# Altium PCB MC21R01.PcbDoc (part 1 of 5) (continued)
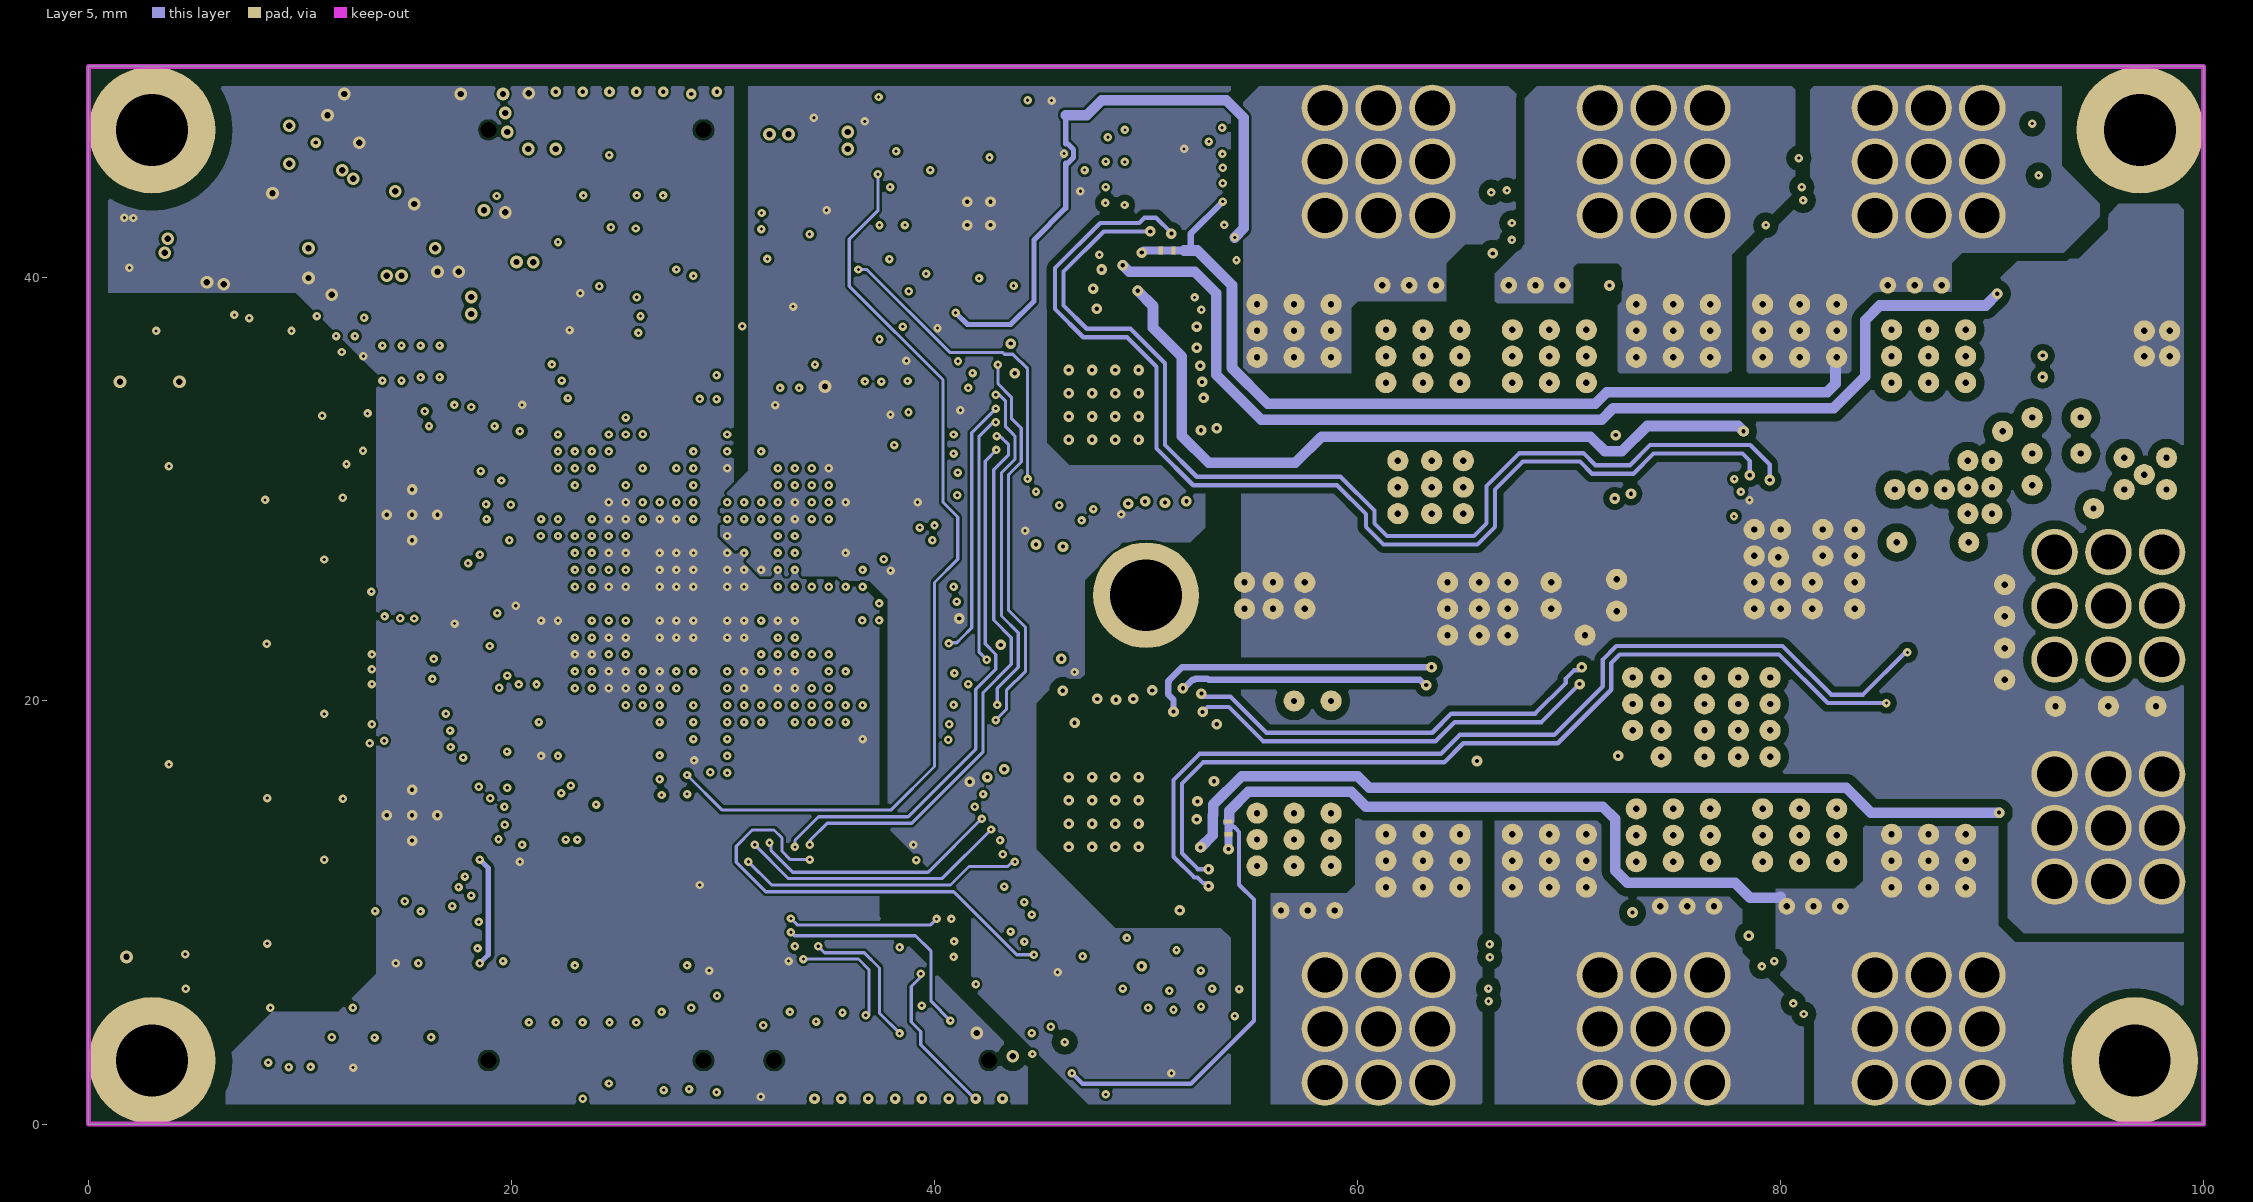
[diagram p5: Layer 5]
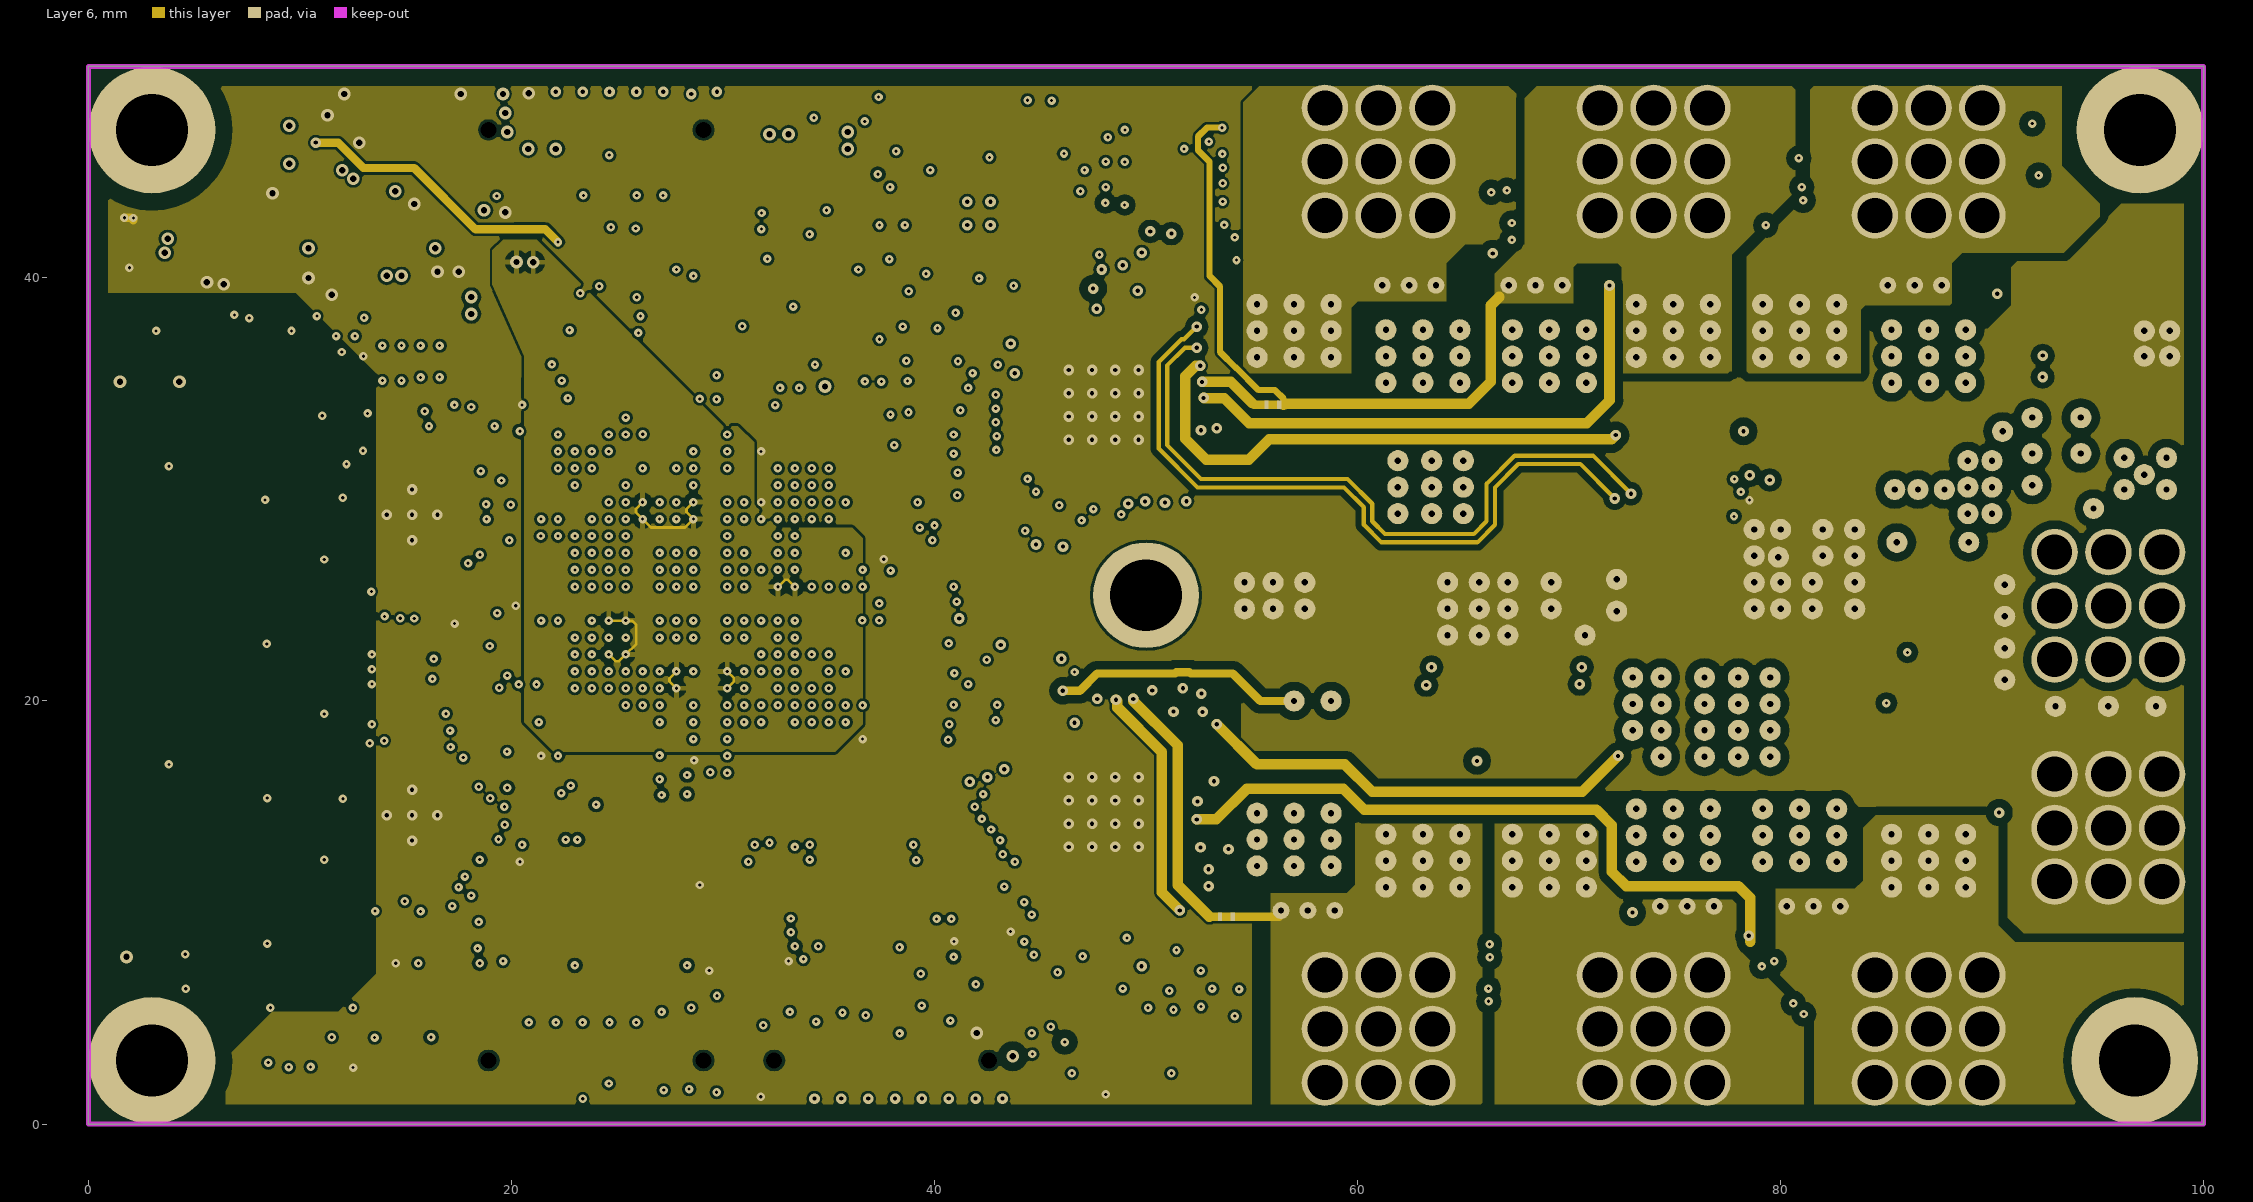
[diagram p6: Layer 6]
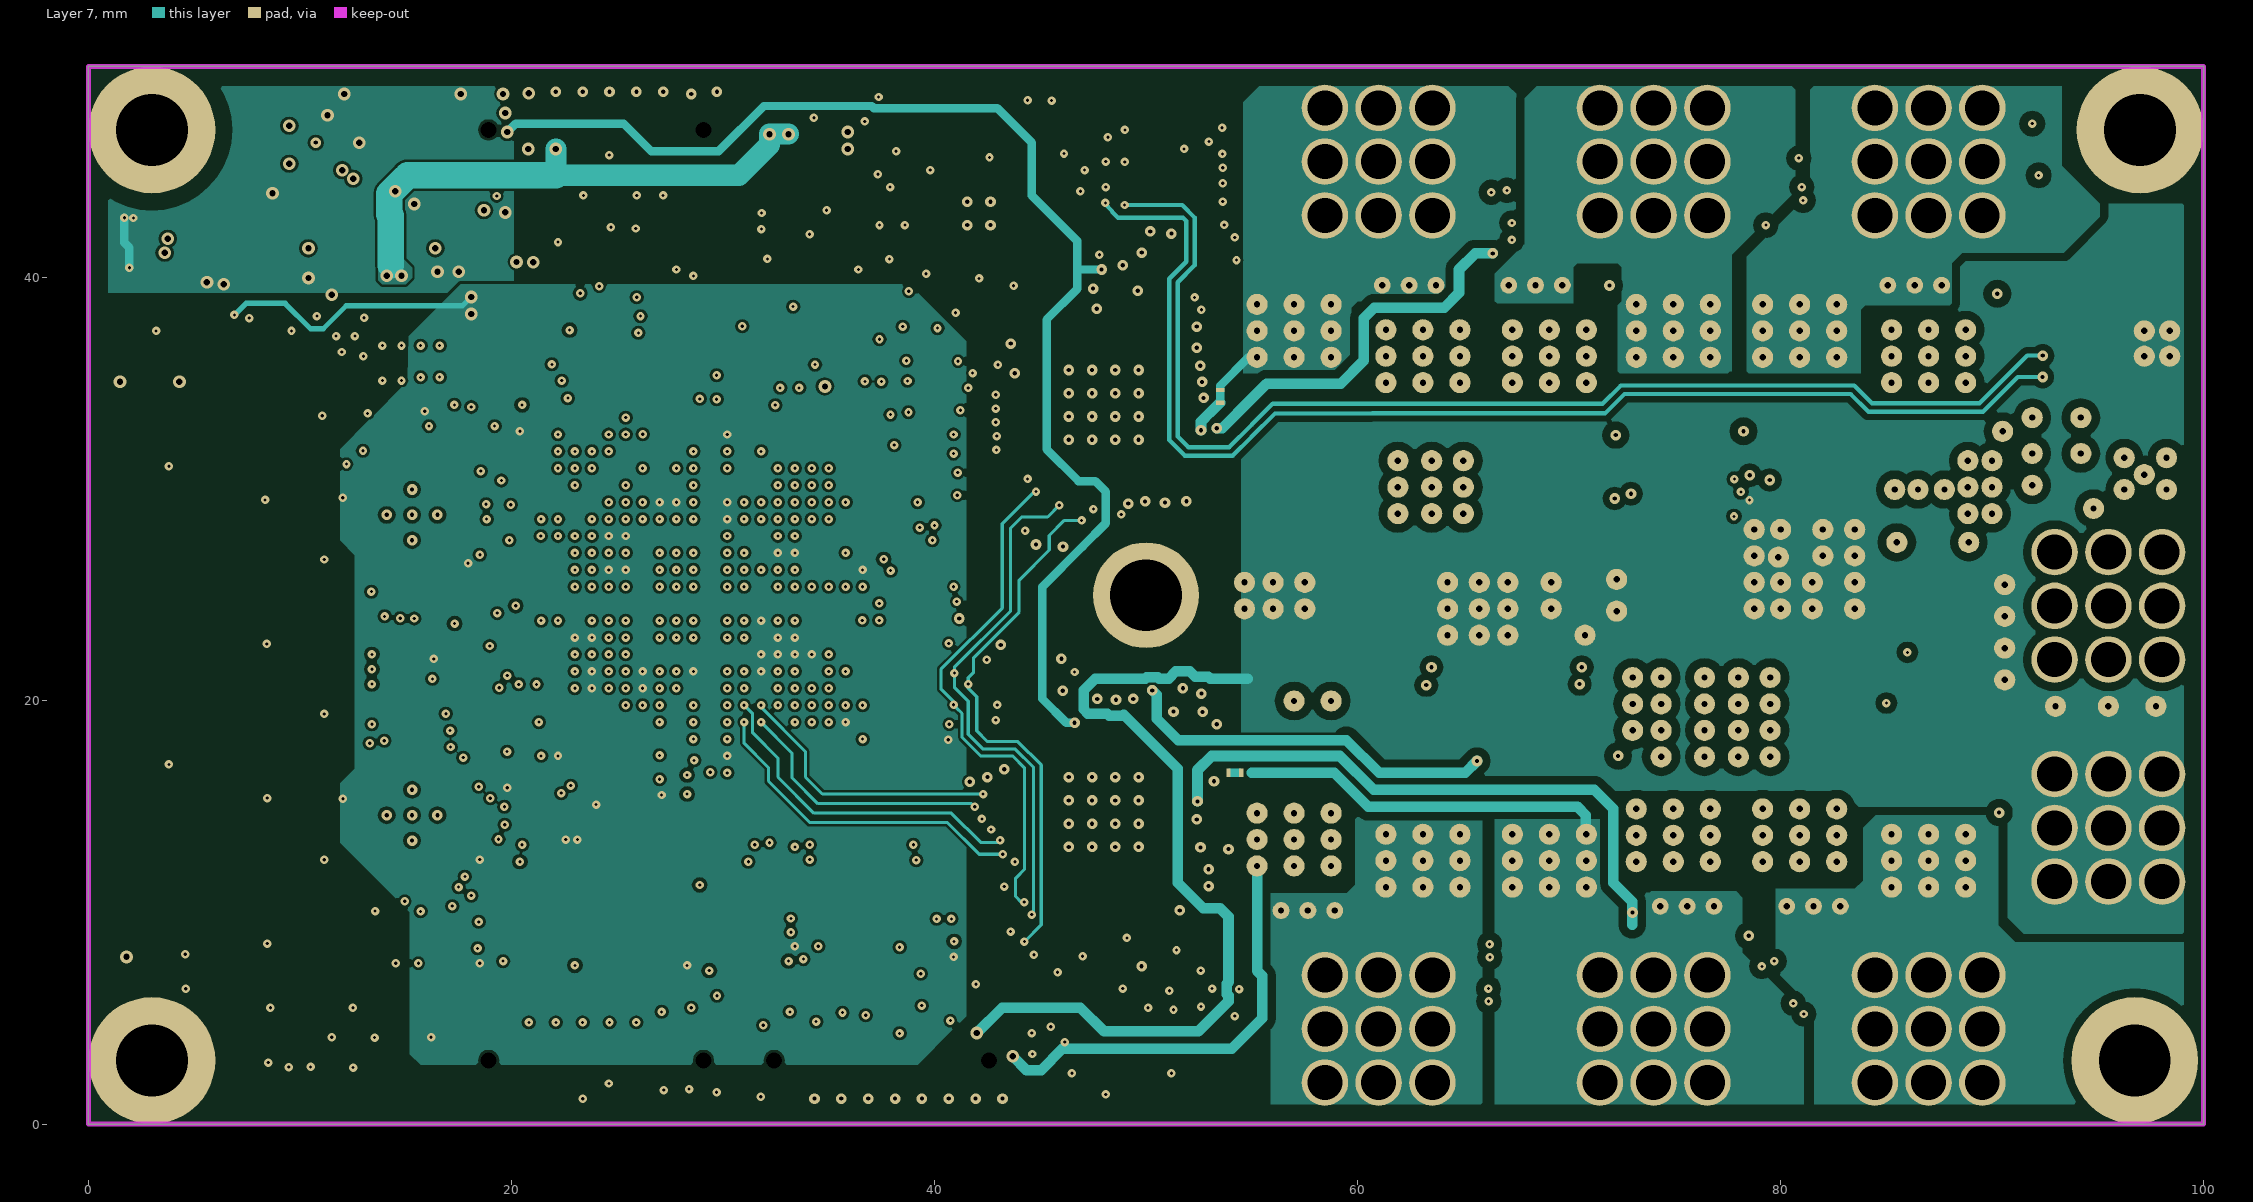
[diagram p7: Layer 7]

## Layer stack, top to bottom
Top Solder: solder mask 0.01, Solder Resist, Dk 3.5
Top Layer: signal copper 0.035
Dielectric 2: prepreg 0.071, PP-006, Dk 4.1
Dielectric 4: prepreg 0.117, PP-016, Dk 4.4
Layer 2: signal copper 0.035
Dielectric 10: core 0.2, Core-009, Dk 4.5
Layer 3: signal copper 0.035
Dielectric 6: prepreg 0.117, PP-016, Dk 4.4
Dielectric 8: prepreg 0.117, PP-016, Dk 4.4
Layer 4: signal copper 0.035
Dielectric 1: dielectric 0.2, FR-4, Dk 4.8
Layer 5: signal copper 0.035
Dielectric 9: prepreg 0.117, PP-016, Dk 4.4
Dielectric 7: prepreg 0.117, PP-016, Dk 4.4
Layer 6: signal copper 0.035
Dielectric 11: core 0.2, Core-009, Dk 4.5
Layer 7: signal copper 0.035
Dielectric 5: prepreg 0.117, PP-016, Dk 4.4
Dielectric 3: prepreg 0.071, PP-006, Dk 4.1
Bottom Layer: signal copper 0.035
Bottom Solder: solder mask 0.01, Solder Resist, Dk 3.5

## Board outline
0,0 100,0 100,50 0,50

## Design rules (kind name [scope] priority, off if disabled: settings)
Clearance Clearance_Current_Sense_Resistors [InDifferentialPairClass('ADC') vs (HasFootprint('2512 SMD Resistor V2 NETTIE'))] p1: gap=0 ignorepadtopadclearanceinfootprint=FALSE
Clearance Clearance_Shield_Keepout [OnLayer('Keep-Out Layer') vs InNet('SHIELD')] p2: gap=0 ignorepadtopadclearanceinfootprint=FALSE
Clearance Clearance_Shield [InNet('SHIELD')] p3: gap=0.8 ignorepadtopadclearanceinfootprint=FALSE except(0.4: Arc-SMDPad Track-SMDPad SMDPad-SMDPad; 0.5: SMDPad-Via; 0.7: SMDPad-Hole)
Clearance Clearance_DSBGA [WithinRoom('DSBGA')or WithinRoom('DSBGA_2')  or WithinRoom('DSBGA_3')    or WithinRoom('DSBGA_4')] p4: gap=0.25 ignorepadtopadclearanceinfootprint=FALSE except(0.14: Arc-Arc Arc-Track Arc-SMDPad Track-Track Track-SMDPad SMDPad-SMDPad)
Clearance Clearance_BGA [WithinRoom('BGA')] p5: gap=0.125 ignorepadtopadclearanceinfootprint=FALSE
Clearance Clearance_Temp_Sensors [InNetClass('Temp_sensor') vs InNetClass('Temp_sensor')] p6: gap=0.16 ignorepadtopadclearanceinfootprint=TRUE
Clearance Clearance_Keepout [OnLayer('Keep-Out Layer')] p7: gap=0.8 ignorepadtopadclearanceinfootprint=FALSE except(0: Arc-SMDPad Arc-THPad Track-SMDPad Track-THPad)
Clearance Clearance_ADCs [InDifferentialPairClass('ADC')] p8: gap=0.3 ignorepadtopadclearanceinfootprint=TRUE except(0.2: Arc-Arc Arc-Track Arc-SMDPad Track-Track Track-SMDPad SMDPad-SMDPad)
Clearance Clearance_Power [WithinRoom('POWER_BOT') or WithinRoom('POWER_TOP') or InNet('VDRAIN')] p9: gap=0.4 ignorepadtopadclearanceinfootprint=TRUE except(0.25: Arc-Arc Arc-Track Arc-SMDPad Arc-THPad Arc-Via Arc-Text Track-Track Track-SMDPad Track-THPad Track-Via Track-Text)
Clearance [All] p10: gap=0.125 ignorepadtopadclearanceinfootprint=FALSE
DiffPairsRouting ADC_DiffPairsRouting [InDifferentialPairClass('ADC')] p1: maxlimit=0.4 minlimit=0.15 mostfreqgap=0.2 toplayer_minwidth=0.15 toplayer_maxwidth=0.3 toplayer_prefwidth=0.2 midlayer1_minwidth=0.15 midlayer1_maxwidth=0.3 midlayer1_prefwidth=0.2 midlayer2_minwidth=0.15 midlayer2_maxwidth=0.3 midlayer2_prefwidth=0.2 midlayer3_minwidth=0.15 midlayer3_maxwidth=0.3 midlayer3_prefwidth=0.2 midlayer4_minwidth=0.15 midlayer4_maxwidth=0.3 midlayer4_prefwidth=0.2 midlayer5_minwidth=0.15 midlayer5_maxwidth=0.3 midlayer5_prefwidth=0.2 midlayer6_minwidth=0.15 midlayer6_maxwidth=0.3 midlayer6_prefwidth=0.2 bottomlayer_minwidth=0.15 bottomlayer_maxwidth=0.3 bottomlayer_prefwidth=0.2 maxuncoupledlength=12.7
DiffPairsRouting EtherCAT_DiffPairsRouting [InDifferentialPairClass('EtherCAT')] p2: maxlimit=0.254 minlimit=0.2 mostfreqgap=0.2 toplayer_minwidth=0.2 toplayer_maxwidth=0.381 toplayer_prefwidth=0.2 midlayer1_minwidth=0.2 midlayer1_maxwidth=0.381 midlayer1_prefwidth=0.2 midlayer2_minwidth=0.2 midlayer2_maxwidth=0.381 midlayer2_prefwidth=0.2 midlayer3_minwidth=0.2 midlayer3_maxwidth=0.381 midlayer3_prefwidth=0.2 midlayer4_minwidth=0.2 midlayer4_maxwidth=0.381 midlayer4_prefwidth=0.2 midlayer5_minwidth=0.2 midlayer5_maxwidth=0.381 midlayer5_prefwidth=0.2 midlayer6_minwidth=0.2 midlayer6_maxwidth=0.381 midlayer6_prefwidth=0.2 bottomlayer_minwidth=0.2 bottomlayer_maxwidth=0.381 bottomlayer_prefwidth=0.2 maxuncoupledlength=12.7
DiffPairsRouting [All] p3: maxlimit=0.254 minlimit=0.254 mostfreqgap=0.254 toplayer_minwidth=0.381 toplayer_maxwidth=0.381 toplayer_prefwidth=0.381 midlayer1_minwidth=0.381 midlayer1_maxwidth=0.381 midlayer1_prefwidth=0.381 midlayer2_minwidth=0.381 midlayer2_maxwidth=0.381 midlayer2_prefwidth=0.381 midlayer3_minwidth=0.381 midlayer3_maxwidth=0.381 midlayer3_prefwidth=0.381 midlayer4_minwidth=0.381 midlayer4_maxwidth=0.381 midlayer4_prefwidth=0.381 midlayer5_minwidth=0.381 midlayer5_maxwidth=0.381 midlayer5_prefwidth=0.381 midlayer6_minwidth=0.381 midlayer6_maxwidth=0.381 midlayer6_prefwidth=0.381 bottomlayer_minwidth=0.381 bottomlayer_maxwidth=0.381 bottomlayer_prefwidth=0.381 maxuncoupledlength=12.7
HoleSize [All] p1: absolutevalues=TRUE maxlimit=5 minlimit=0.1 maxpercent=80.000 minpercent=20.000
MatchedLengths [InDifferentialPairClass('EtherCAT')] p1: tolerance=25.4 checknetsindiffpair=TRUE checkdiffpairvsdiffpair=FALSE checkxsignals=FALSE checkothers=FALSE usedelayunits=TRUE delaytolerance=20.000000
MinimumAnnularRing [OnLayer('Top Layer')or OnLayer('Bottom Layer')] p1: minimumring=0.125
MinimumSolderMaskSliver [All] p1: minsoldermaskwidth=0
PolygonConnect PolygonConnect_1 [InNetClass('Power')] p1: connectstyle=Direct reliefconductorwidth=0.254 reliefentries=4 polygonreliefangle="90 Angle" airgapwidth=0.254
PolygonConnect [All] p2: thpad.connectstyle=Relief thpad.reliefconductorwidth=0.254 thpad.reliefentries=4 thpad.polygonreliefangle="90 Angle" thpad.airgapwidth=0.254 smdpad.connectstyle=Direct smdpad.reliefconductorwidth=0.254 smdpad.reliefentries=4 smdpad.polygonreliefangle="90 Angle" smdpad.airgapwidth=0.254 via.connectstyle=Relief via.reliefconductorwidth=0.254 via.reliefentries=4 via.polygonreliefangle="90 Angle" via.airgapwidth=0.254
RoomDefinition BGA_1 [False] p1: confinementstyle=ConfineIn formatcopy=TRUE lockcomponents=FALSE outline 20.5,16.9 20.5,33.9 37.5,33.9 37.5,16.9
RoomDefinition DSBGA [InComponentClass('Room Definition 1')] p2: confinementstyle=ConfineIn formatcopy=TRUE lockcomponents=FALSE outline 47.296,8.554 49.504,8.554 49.504,6.646 47.296,6.646
RoomDefinition POWER_TOP [False] p3: confinementstyle=ConfineIn formatcopy=TRUE lockcomponents=FALSE outline 100.238,-3.703 54.988,-3.703 54.988,53.297 100.238,53.297
RoomDefinition DSBGA_4 [InComponentClass('Room Definition 4')] p4: confinementstyle=ConfineIn formatcopy=TRUE lockcomponents=FALSE outline 16.9,43.2 16.9,45.5 18.8,45.5 18.8,43.2
RoomDefinition DSBGA_3 [InComponentClass('Room Definition 3')] p5: confinementstyle=ConfineIn formatcopy=TRUE lockcomponents=FALSE outline 13.111,44.309 13.111,41.509 10.661,41.509 10.661,44.309
RoomDefinition DSBGA_5 [False] p6: confinementstyle=ConfineIn formatcopy=TRUE lockcomponents=FALSE outline 45.346,29.543 45.346,31.75 47.254,31.75 47.254,29.543
RoomDefinition POWER_BOT [False] p7: confinementstyle=ConfineIn formatcopy=TRUE lockcomponents=FALSE outline 100.25,-3.75 55,-3.75 55,53.25 100.25,53.25
RoomDefinition BGA [False] p8: confinementstyle=ConfineIn formatcopy=TRUE lockcomponents=FALSE outline 20.5,33.9 37.5,33.9 37.5,16.9 20.5,16.9
RoutingVias RoutingVias_BGA [WithinRoom('BGA')] p1: holewidth=0.15 width=0.4 viastyle="Through Hole" minholewidth=0.15 minwidth=0.4 maxholewidth=0.15 maxwidth=0.4
RoutingVias [All] p2: holewidth=0.15 width=0.4 viastyle="Through Hole" minholewidth=0.15 minwidth=0.4 maxholewidth=1 maxwidth=1.27
SilkToSilkClearance [All] p1: silktosilkclearance=0.049
SilkToSolderMaskClearance [IsPad] p1: minsilkscreentomaskgap=0.049 clearancetoexposedcopper=TRUE
SolderMaskExpansion [All] p1: expansion=0.102 istentingtop=FALSE
Width Width_BGA [WithinRoom('BGA')] p1: maxlimit=0.2 minlimit=0.125 preferedwidth=0.15 minimp=50.000000 maximp=50.000000 favimp=50.000000
Width [All] p2: maxlimit=10 minlimit=0.125 preferedwidth=0.2
25 further rules are at their usual default settings.

## Classes and differential pairs
differential pair class EtherCAT: P0_RD P0_RX P0_RX_TF P0_TD P0_TX P0_TX_TF P1_RD P1_RX P1_RX_TF P1_TD P1_TX P1_TX_TF
net class Temp_sensor: GND NetIC1_B1 NetIC2_B1 NetIC3_B1 NetIC4_B1 NetIC5_B1 NetIC6_B1 NetIC7_B1 TEMP_CHAIN_RX_GPIO85 TEMP_CHAIN_TX_GPIO84 VDD_3V3
component class "Room Definition 4": IC23
component class "Room Definition 3": IC21
component class "Room Definition 2": IC18
component class "Room Definition 1": IC17
differential pair class ADC: CURR_SENSE SA1 SA2 SB1 SB2 SC1 SC2
net class Power: 1V2 1V2_PG 3V3 3V3_PG 5V 5V_PG 24V BUS_CURR_ADCC3 BUS_VOLT_ADCC2 CURR_SENSE_N CURR_SENSE_P DRV1_2_CLK_GPIO18 DRV1_2_SIMO_GPIO16 DRV1_2_SOMI_GPIO17 DRV1_VSENA_ADCA2 DRV1_VSENB_ADCB2 DRV1_VSENC_ADCD2 DRV2_3V3_REF DRV2_ENABLE_GPIO37 DRV2_INHA_GPIO06 DRV2_INHB_GPIO08 DRV2_INHC_GPIO10 DRV2_INLA_GPIO07 DRV2_INLB_GPIO09 DRV2_INLC_GPIO11 DRV2_ISENA_ADCA1 DRV2_ISENB_ADCB1 DRV2_ISENC_ADCD1 DRV2_MOT_TEMP_ADCC5 DRV2_nCS_GPIO35 DRV2_nFAULT_GPIO36 DRV2_VSENA_ADCA3 DRV2_VSENB_ADCB3 DRV2_VSENC_ADCD3 DVDD2 GHA1 GHA2 GHB1 GHB2 GHC1 GHC2 GLA1 GLA2 GLB1 GLB2 GLC1 GLC2 GND GNDA MOTA1 MOTA2 MOTB1 MOTB2 MOTC1 MOTC2 NetC16_2 NetC17_2 NetC18_2 NetC28_2 NetC31_1 NetC31_2 NetC39_2 NetC40_2 NetC41_2 NetC48_2 NetC122_1 NetC*1_M1 NetC*1_M2 NetD2_K NetD7_K NetD8_K NetD9_K NetF1_1 NetF1_2 NetIC21_A1 NetIC21_B2 NetIC22_2 NetIC22_3 NetIC23_A1 NetIC23_B2 NetQ13_3 SA1_N SA1_P SA2_N SA2_P SB1_N SB1_P SB2_N SB2_P SC1_N SC1_P SC2_N SC2_P SHA1 SHA2 SHB1 SHB2 SHC1 SHC2 STO1_3V_GPIO121 STO1_24V STO1_OUT_GPIO39 VDD_3V3 VDDA_3V3 VDRAIN
component class MC21R01_uC_Support: *1 C1 C2 C3 C4 C123 C132 D10 R1 R2 R3 R4 R5 R6 R7 R8 R10 R11 R12 R13 R14 R15 R16 R77 R78 R86 S1 TP1 TP2 TP3 TP4 U2 Y1
component class MC21R01_uC_Power: C27 C50 C51 C57 C134 C135 C136 C137 C138 C139 C140 C141 C142 C143 C144 C145 C146 C147 C148 C149 C150 C151 C152 C153 C154 C155 C156 C157 C158 C159 C160 C161 C162 C163 C164 C177 C178 C179 C180 C181 C182 C183 C184 C185 C186 C187 C188 C189 C190 C191 C192 C193 C194 C195 L5 L6 L7
component class MC21R01_uC_GPIO: R65 R66 R67 R68 R69
component class MC21R01_uC_ADC: C96 C97 C98 C99 C100 C101 C102 C103 C104 C105 C106 C107 C108 C109 C110 C111 C112 C113 C114 C115 C116 C117 C118 C119 C120 C121 C124 C125 C126 C127 C128 C129 C130 C131 C196 IC17 IC18 IC19 NT7 R70 R71 R72 R73 R74 R75 R76 R79 R80 R81 R82 R83 R84 R85 R88 R89 R90 R91 R92 R93 R94 R95 R96 R97 R98 R99 R100 R101 REF1 REF2 U1 U8 U9
component class MC21R01_Power: C88 C122 C165 C166 C167 C168 C170 C171 C172 C173 C174 C175 C176 D7 D8 D9 F1 IC20 IC21 IC22 IC23 J4 J5 J6 J15 L8 L9 Q13 R33 R87 R104 R105 R106 R107 R108 R109 R110 R111 R112 R113 R114 R115 R116 R117 R118 R119 R121 U10
component class MC21R01_Onboard_temp_sensors: C80 C81 C82 C83 C84 C85 C86 C87 IC1 IC2 IC3 IC4 IC5 IC6 IC7 IC8
component class MC21R01_Inverter_2: C28 C29 C30 C31 C32 C33 C34 C35 C36 C37 C38 C39 C40 C41 C42 C43 C44 C45 C46 C47 C48 C49 C203 C204 C205 C206 C207 C208 C*2 D2 J10 J11 J12 NT4 NT5 NT6 NT8 NT9 NT10 NT11 NT12 Q7 Q8 Q9 Q10 Q11 Q12 R30 R31 R32 R34 R35 R36 R37 R38 R39 R40 R41 R42 TP19 TP20 TP21 TP22 TP23 TP24 TP25 TP26 TP27 TP28 TP29 TP30 TP31 TP32 U4
component class MC21R01_Inverter_1: C5 C6 C7 C8 C9 C10 C11 C12 C13 C14 C15 C16 C17 C18 C19 C20 C21 C22 C23 C24 C25 C26 C197 C198 C199 C200 C201 C202 C209 C210 C211 C*1 D1 J7 J8 J9 NT1 NT2 NT3 Q1 Q2 Q3 Q4 Q5 Q6 R17 R18 R19 R20 R21 R22 R23 R24 R25 R26 R27 R28 R29 R123 R124 R125 R126 R127 R128 TP5 TP6 TP7 TP8 TP9 TP10 TP11 TP12 TP13 TP14 TP15 TP16 TP17 TP18 U3
component class MC21R01_EtherCAT: C52 C53 C54 C55 C56 C58 C59 C60 C61 C62 C63 C64 C65 C66 C67 C68 C69 C70 C71 C72 C73 C74 C75 C76 C77 C78 C79 D3 D4 D5 D6 EEPROM1 J13 J14 L1 L2 L3 L4 R43 R44 R45 R46 R47 R48 R49 R50 R51 R52 R53 R54 R55 R56 R57 R58 R59 R60 R61 R62 R63 R64 T1 T2 T3 T4 U6
component class MC21R01_BoardtoBoard_connectors: J1 J2 J3
differential pair P1_TX_TF: +P1_TX_TF_P -P1_TX_TF_N
differential pair P1_RX_TF: +P1_RX_TF_P -P1_RX_TF_N
differential pair P0_TX_TF: +P0_TX_TF_P -P0_TX_TF_N
differential pair P0_RX_TF: +P0_RX_TF_P -P0_RX_TF_N
differential pair CURR_SENSE: +CURR_SENSE_P -CURR_SENSE_N
differential pair SC2: +SC2_P -SC2_N
differential pair SC1: +SC1_P -SC1_N
differential pair SB2: +SB2_P -SB2_N
differential pair SB1: +SB1_P -SB1_N
differential pair SA2: +SA2_P -SA2_N
differential pair SA1: +SA1_P -SA1_N
differential pair P1_TX: +P1_TX_P -P1_TX_N
differential pair P1_TD: +P1_TD_P -P1_TD_N
differential pair P1_RX: +P1_RX_P -P1_RX_N
differential pair P1_RD: +P1_RD_P -P1_RD_N
differential pair P0_TX: +P0_TX_P -P0_TX_N
differential pair P0_TD: +P0_TD_P -P0_TD_N
differential pair P0_RX: +P0_RX_P -P0_RX_N
differential pair P0_RD: +P0_RD_P -P0_RD_N

## Components (designator, comment, footprint, x,y, rotation, side; value= is the part's Value field where it differs from the comment)
*1 "Molex 501331-0707" "Molex 501331-0707" 14.5,4.1 r0 top
*2 "PAL logo" "PAL LOGO 6x4mm" 30.662,35.677 r90 top (schematic designator *1)
C1 "100nF/16V 0402 10% X7R" "0402 SMD Capacitor" 20.9,12.4 r180 top value=100nF/16V
C2 "100nF/16V 0402 10% X7R" "0402 SMD Capacitor" 20.5,10.6 r180 top value=100nF/16V
C3 "100nF/16V 0402 10% X7R" "0402 SMD Capacitor" 20.5,11.5 r180 top value=100nF/16V
C4 "10nF/10V 0402 20% X5R" "0402 SMD Capacitor" 18.7,21.1 r270 top value=10nF/10V
C5 "1uF/100V 0805 10% X7R" "0805 SMD capacitor" 44.812,18.63 r270 top value=1uF/100V
C6 "10uf/50V 1206 20% X5R" "1206 SMD Capacitor" 49.6,16.8 r270 top value=10uF/50V
C7 "100nF/50V 0603 10% X7R" "0603 SMD capacitor" 47.7,17.2 r270 top value=100nF/50V
C8 "47nF/100V 0603 10% X7R" "0603 SMD capacitor" 44.6,19 r180 bottom value=47nF/100V
C9 "2.2uF/100V 1210 10% X7R" "1210 SMD capacitor h=2mm" 47.4,2.4 r270 top value=2.2uF/100V
C10 "22uF/100V 2220 20% X7S" "2220 SMD Capacitor H=5MM" 71.75,30.75 r0 top locked value=22uF/100V
C11 "22uF/100V 2220 20% X7S" "2220 SMD Capacitor H=5MM" 64.5,30.75 r180 top locked value=22uF/100V
C12 "1uF/10V 0603 10% X7R" "0603 SMD capacitor" 45.5,14.8 r0 top value=1uF/10V
C13 "2200pF/100V 0402 10% X7S" "0402 SMD Capacitor" 53.75,9.75 r270 bottom value=2200pF/100V
C14 "2200pF/100V 0402 10% X7S" "0402 SMD Capacitor" 73.5,10 r0 top value=2200pF/100V
C15 "2200pF/100V 0402 10% X7S" "0402 SMD Capacitor" 79.694,8.624 r0 bottom value=2200pF/100V
C16 "2200pF/100V 0402 10% X7S" "0402 SMD Capacitor" 65.8,17.9 r90 bottom value=2200pF/100V
C17 "2200pF/100V 0402 10% X7S" "0402 SMD Capacitor" 71.8,17.9 r90 bottom value=2200pF/100V
C18 "2200pF/100V 0402 10% X7S" "0402 SMD Capacitor" 90.1,17.2 r90 bottom value=2200pF/100V
C19 "47nF/16V 0402 10% X7R" "0402 SMD Capacitor" 50.8,3.6 r180 bottom value=47nF/16V
C20 "47nF/16V 0402 10% X7R" "0402 SMD Capacitor" 49.2,4.1 r90 bottom value=47nF/16V
C21 "47nF/16V 0402 10% X7R" "0402 SMD Capacitor" 55.3,3.4 r270 bottom value=47nF/16V
C22 "1000pF/16V 0402 10% X7R" "0402 SMD Capacitor" 50.5,18.75 r0 bottom value=1000pF/16V
C23 "1000pF/16V 0402 10% X7R" "0402 SMD Capacitor" 52,17.8 r90 bottom value=1000pF/16V
C24 "1000pF/16V 0402 10% X7R" "0402 SMD Capacitor" 52,11.8 r270 bottom value=1000pF/16V
C25 "1uF/16V 0603 10% X7R" "0603 SMD capacitor" 45.5,16.3 r180 top value=1uF/16V
C26 "100nF/16V 0402 10% X7R" "0402 SMD Capacitor" 46.5,7.931 r180 bottom value=100nF/16V
C27 "100nF/16V 0402 10% X7R" "0402 SMD Capacitor" 29.5,29 r90 bottom value=100nF/16V
C28 "1uF/100V 0805 10% X7R" "0805 SMD capacitor" 45.4,38.5 r270 top value=1uF/100V
C29 "10uf/50V 1206 20% X5R" "1206 SMD Capacitor" 49.8,36.2 r270 top value=10uF/50V
C30 "100nF/50V 0603 10% X7R" "0603 SMD capacitor" 48,36.4 r270 top value=100nF/50V
C31 "47nF/100V 0603 10% X7R" "0603 SMD capacitor" 44.7,38.4 r180 bottom value=47nF/100V
C32 "2.2uF/100V 1210 10% X7R" "1210 SMD capacitor h=2mm" 95.3,35.1 r0 bottom value=2.2uF/100V
C33 "22uF/100V 2220 20% X7S" "2220 SMD Capacitor H=5MM" 86.25,19.25 r0 top locked value=22uF/100V
C34 "22uF/100V 2220 20% X7S" "2220 SMD Capacitor H=5MM" 71.75,19.25 r0 top locked value=22uF/100V
C35 "1uF/10V 0603 10% X7R" "0603 SMD capacitor" 45.8,34.6 r0 top value=1uF/10V
C36 "2200pF/100V 0402 10% X7S" "0402 SMD Capacitor" 90.25,40.5 r90 bottom value=2200pF/100V
C37 "2200pF/100V 0402 10% X7S" "0402 SMD Capacitor" 71,40.25 r90 top value=2200pF/100V
C38 "2200pF/100V 0402 10% X7S" "0402 SMD Capacitor" 66.363,41.67 r90 bottom value=2200pF/100V
C39 "2200pF/100V 0402 10% X7S" "0402 SMD Capacitor" 78.25,32.25 r270 bottom value=2200pF/100V
C40 "2200pF/100V 0402 10% X7S" "0402 SMD Capacitor" 72.25,32 r270 bottom value=2200pF/100V